# Altium PCB Peak_Track.PcbDoc (part 2 of 2)
Units mil, origin at the board's own origin, x right, y up, seen from the top; angles counter-clockwise.
Board outline 2126.29 x 2005.4 mil, 4 copper layers (Top1, GND2, signal3, Bottom4), stack 42.312 mil thick; 129 components, 89 nets, 459 pads, 390 vias.
Unrouted connection lines stored in the file: 6.
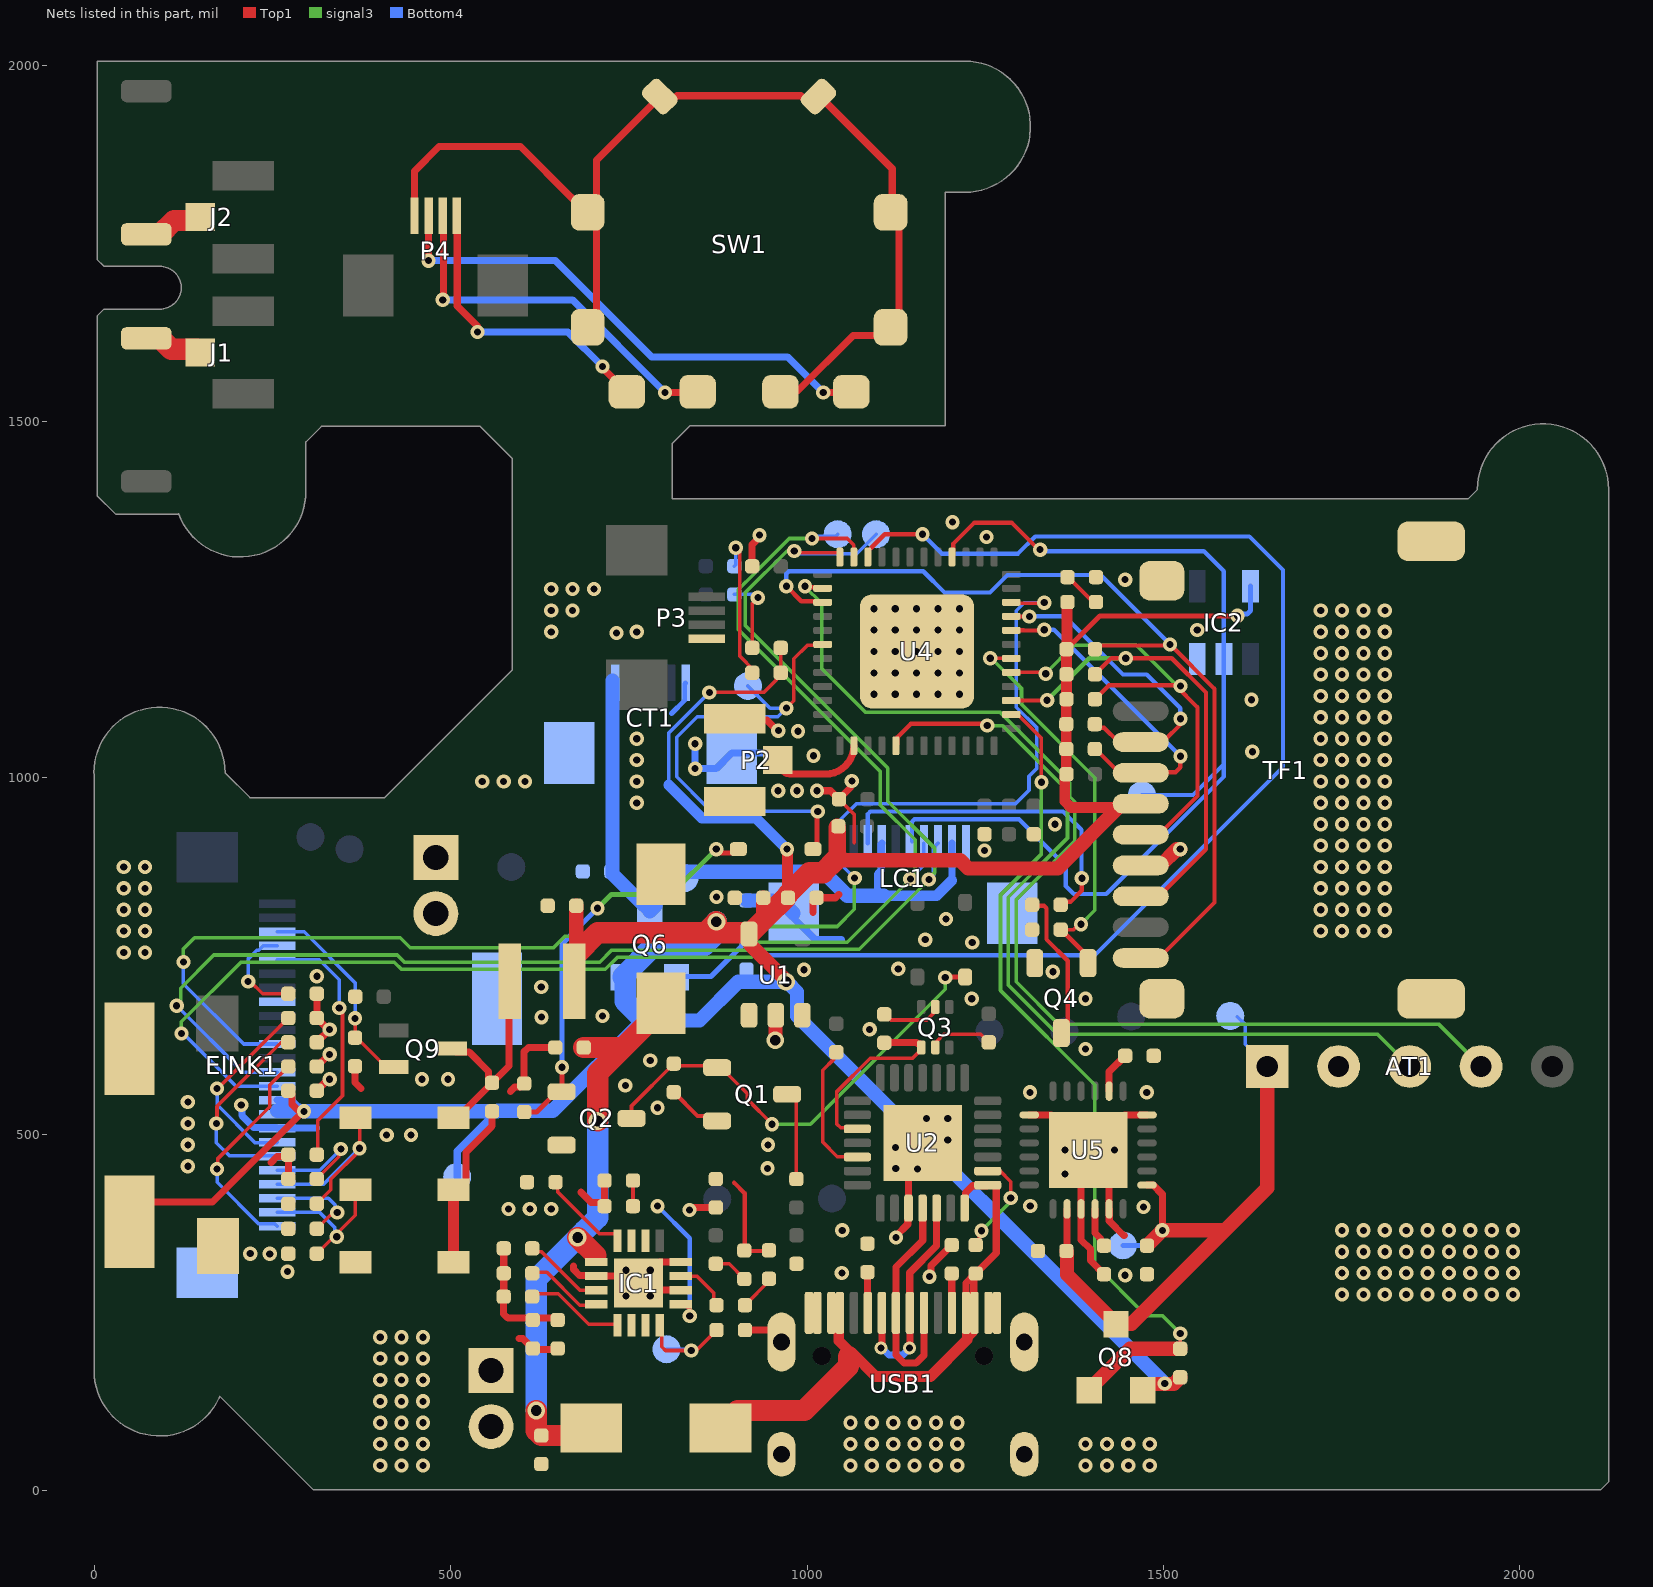
[diagram p4: the nets of this part, all layers, seen from the top]

## Via types
v1: diameter 20, hole 10, Top1 to Bottom4, tented both sides, 377 vias
v2: diameter 25, hole 15, Top1 to Bottom4, tented both sides, 6 vias
v3: diameter 62.99, hole 62.99, Top1 to Bottom4, 2 vias
v4: diameter 39.37, hole 39.37, Top1 to Bottom4, 2 vias
v5: diameter 18, hole 10, Top1 to Bottom4, tented both sides, 2 vias
v6: diameter 20, hole 10, Top1 to Bottom4, 1 vias

## Nets (pads, with @x,y where several pads share a name; then routed paths per layer and width w, separated by ;. In a path a pad name is that pad's centre, name@x,y a point inside that pad or via, vN(x,y) a via of type N, cw(c..) or ccw(c..) an arc to the next point about the centre after c; other vN are vias at no path point) (continued)
GND: AT1.2 C1.1 C2.1 C4.1 C5.1 C6.1 C7.1 C8.1 C9.1 C10.2 C11.1 C12.2 C13.1 C14.2 C15.1 C16.1 C17.1 C18.1 C19.1 C20.1 C21.1 C22.1 C23.1 C25.1 C26.1 C27.1 C28.1 C29.1 C30.1 C31.1 C32.1 CT1.0 CT1.1 D5.2 D9.1 EINK1.0@158,305.66 EINK1.8 EINK1.17 IC1.6 IC1.8 IC1.14 IC1.17 IC2.3 LC1.0 LC1.1 P1.2 P2.2 P2.3 P3.4 P6.2 Q2.2 Q4.2 R4.1 R7.1 R8.1 R10.1 R11.2 R14.1 R16.2 R17.1 R24.1 R31.1 R32.2 R36.1 S1.2 TF1.6 TF1.10 TP3.1 TP10.1 U1.2 U2.3 U2.29 U4.49 U5. U5.1 U5.9 U5.11 U5.18 USB1.1 USB1.2 USB1.3 USB1.4 USB1.A1 USB1.A12 USB1.B1 USB1.B12 | length 2571.9
  Top1 w5: C5.1@1044.75,970.21 1066,948.96 1066,909.37
  Top1 w10: 247.96,460.29 256.31,468.65 269.4,468.65 C22.1@272,471.25 C28.1@272,437.25 ; C25.1@312,561 328,577 v1(330,577) ; C32.1@312,595 329,612 v1(330,612) ; C27.1@312,629 v1(330,647) 328,647 C26.1@312,663 C21.1@312,697 ; R24.1@365.63,595.37 365.63,572.57 374.2,564 ; R8.1@574.41,339.76 574.3,339.65 574.3,272.11 R11.2@574.2,272 574.2,247.7 580.05,241.84 C9.1@645.18,241.84 ; 583.87,560.15 589.72,566 598,566 R7.1@603,571 603,615.82 608.86,621.68 C7.1@646.65,621.68 ; 672.15,315.01 672.15,310.34 680.68,301.8 703.51,301.8 IC1.14@704.42,300.9 753.63,300.9 IC1.17@763.47,291.06 ; 682.69,418.44 697.13,404 710.8,404 C19.1@715.8,399 C18.1@715.8,434.99 ; IC1.6@822.53,281.21 773.31,281.21 IC1.17@763.47,291.06 ; IC1.8@822.53,320.58 822.45,320.5 792.92,320.5 IC1.17@763.47,291.06 ; v1(835.13,393.54) 837.84,393.54 841.29,397 C20.1@872,397 ; P2.3@898.6,1083.07 900.61,1081.05 943.6,1081.05 958.28,1066.37 v1(959.71,1066.37) ; R32.2@913,225 950.74,225 964.31,211.43 USB1.3@964.31,208.27 ; C6.1@923,1297 923,1327.73 933.27,1338.01 v1(933.27,1340.71) ; 1008.4,811.48 1008.4,826.77 C2.1@1013.4,831.77 1039.87,831.77 1044.5,836.4 ; v1(1014,982) 1032.96,982 C5.1@1044.75,970.21 1060.97,986.43 1060.97,993.71 v1(1062.88,995.62) ; v1(1124.74,354.89) 1124.74,356.89 1141.42,373.57 1141.42,395.15 U2.3@1142.42,396.15 1142.42,467.96 U2.29@1162.11,487.65 ; v1(1172,300) 1173.91,301.91 1173.91,315.4 R14.1@1203.06,344.55 ; U5.1@1311.82,527.02 1343.32,527.02 1392.53,477.81 U5.@1394.5,477.81 ; C14.2@1416.8,303.51 1397.65,322.65 1397.65,338.65 1384.66,351.65 U5.9@1384.66,395.13 1384.66,467.96 U5.@1394.5,477.81 ; 1445.43,357.79 1444.28,357.79 1424.11,377.96 1424.11,395.05 U5.11@1424.03,395.13 1424.03,448.28 U5.@1394.5,477.81 ; U5.18@1477.18,527.02 1445.68,527.02 1396.47,477.81 U5.@1394.5,477.81
  Top1 w20: v2(955.44,631.89) 955.72,632.17 955.72,666.61 U1.2@956,666.89 ; TF1.6@1468.36,877.17 1496,877.17 1518.83,900 v1(1523.77,900)
  Bottom4 w7: 809.82,1090.34 809.82,1090.42 828.38,1108.98 828.38,1132.18 CT1.1@829.5,1133.31
  Bottom4 w10: v1(206,541) 206.84,540.16 206.84,525.97 223.5,509.32 255.4,509.32 EINK1.8@256.31,508.42 311.14,508.42 ; v1(843,1048) v1(843,1013) 872.46,1013 CT1.0@894.46,1035 949.65,1035 952,1032.65 ; LC1.0@981.04,810 981.04,803.56 1011.47,773.13 1048.07,773.13
  Bottom4 w20: C11.1@915,828 963.04,828 LC1.0@981.04,810
  other v1: 401,35 431,35 461,35 1061,35 1091,35 1121,35 1151,35 1181,35 1211,35 1391,35 1421,35 1451,35 1481,35 401,65 431,65 461,65 1061,65 1091,65 1121,65 1151,65 1181,65 1211,65 1391,65 1421,65 1451,65 1481,65 401,95 431,95 461,95 1061,95 1091,95 1121,95 1151,95 1181,95 1211,95 401,125 431,125 461,125 401,155 431,155 461,155 401,185 431,185 461,185 401,215 431,215 461,215 746,273 780,273 1751,275 1781,275 1811,275 1841,275 1871,275 1901,275 1931,275 1961,275 1991,275 1446.5,301.92 1048.84,305 1751,305 1781,305 1811,305 1841,305 1871,305 1901,305 1931,305 1961,305 1991,305 271,307 746,309 780,309 218.61,332.29 246,332 1751,335 1781,335 1811,335 1841,335 1871,335 1901,335 1931,335 1961,335 1991,335 1049.49,365 1751,365 1781,365 1811,365 1841,365 1871,365 1901,365 1931,365 1961,365 1991,365 581,395 611,395 641,395 1472.18,397.88 1313.22,399.27 1362,444 1155.08,451 944.54,452.07 1124.43,452.07 131,455 1362,478 1431.49,477.78 1124,481.21 131,485 945.15,485 1197.54,491.91 410,499 444,499 131,515 1167.58,522.06 1197.54,522.06 790.2,537 131,545 1312.9,558.69 1476.84,558.69 744.97,568.2 459.59,577 495.94,577 780,603.28 1390.67,619.37 1087.89,647.09 627.37,664.23 712.87,665.9 1231.19,690 1390.67,690 627,706.65 312,721.64 1345,728 995.57,730.81 1128,732 41,755 71,755 1231.89,769 1166,773 41,785 71,785 1721,785 1751,785 1781,785 1811,785 1195,802 41,815 71,815 1721,815 1751,815 1781,815 1811,815 873,833 41,845 71,845 1721,845 1751,845 1781,845 1811,845 41,875 71,875 1721,875 1751,875 1781,875 1811,875 1249,898 1721,905 1751,905 1781,905 1811,905 1348,935 1721,935 1751,935 1781,935 1811,935 761,965 1721,965 1751,965 1781,965 1811,965 959.46,982.05 986,982 544.21,995 574.21,995 604.21,995 761,995 1721,995 1751,995 1781,995 1811,995 761,1025 1721,1025 1751,1025 1781,1025 1811,1025 1009.21,1031.05 1625.01,1036.73 761,1055 1721,1055 1751,1055 1781,1055 1811,1055 987.5,1065.51 1721,1085 1751,1085 1781,1085 1811,1085 1623.94,1109.7 1721,1115 1751,1115 1781,1115 1811,1115 1093.76,1117.46 1123.76,1117.46 1153.76,1117.46 1183.76,1117.46 1213.76,1117.46 1721,1145 1751,1145 1781,1145 1811,1145 1093.76,1147.46 1123.76,1147.46 1153.76,1147.46 1183.76,1147.46 1213.76,1147.46 1721,1175 1751,1175 1781,1175 1811,1175 1093.76,1177.46 1123.76,1177.46 1153.76,1177.46 1183.76,1177.46 1213.76,1177.46 732.73,1203.27 641,1205 761,1205 1721,1205 1751,1205 1781,1205 1811,1205 1093.76,1207.46 1123.76,1207.46 1153.76,1207.46 1183.76,1207.46 1213.76,1207.46 1547.6,1207.46 641,1235 671,1235 1721,1235 1751,1235 1781,1235 1811,1235 1093.76,1237.46 1123.76,1237.46 1153.76,1237.46 1183.76,1237.46 1213.76,1237.46 641,1265 671,1265 701,1265 1446.5,1278.24 1252,1338 1204,1359
GPIO2: EINK1.14 LC1.10 U4.22 | length 1968.6
  Top1 w5: U4.22@1286.65,1246.46 1288.11,1245 1332,1245 v1(1333,1246)
  signal3 w5: v1(124.69,741.5) 124.69,759.86 140.37,775.54 429.23,775.54 443.27,761.5 644.24,761.5 660.78,778.04 909.48,778.04 922.94,791.5 1042.25,791.5 1066.35,815.6 1066.35,859 v1(1066.85,859.5)
  Bottom4 w5: v1(124.69,741.5) 124.69,711.18 209.34,626.53 EINK1.14@256.31,626.53 ; v1(1066.85,859.5) 1066.35,860 1048.07,878.28 1048.07,906.24 LC1.10@1046,908.31 1046,940.41 1069.09,963.5 1292.16,963.5 1311.5,982.84 1311.5,1002.24 1322.69,1013.44 1322.69,1070.21 1293.5,1099.41 1293.5,1234.66 1304.84,1246 v1(1333,1246)
GPIO5: Q6.1 R28.1 U4.34 | length 1908
  Top1 w6: U4.34@1085.37,1309.94 1085.37,1318.31 1092.13,1325.07 ; 1092.13,1325.1 1109.03,1342 v1(1161.89,1342)
  Bottom4 w6: R28.1@915,771 935,751 1403.49,751 1668,1015.51 1668,1291.82 1620.82,1339 1320.31,1339 1296.12,1314.81 1189.08,1314.81 v1(1161.89,1342)
  Bottom4 w7: Q6.1@816.76,720.35 817.75,721.33 865.33,721.33 R28.1@915,771
GPIO9: IC2.2 LC1.5 TP20.1 U4.28 | length 1454.8
  Top1 w6: U4.28@1203.48,1309.94 1205.4,1311.86 1205.4,1328.86 1234.54,1358 1287.46,1358 v1@1326.11,1319.35
  Bottom4 w6: LC1.5@1147.33,911.21 1147.33,938.49 1150.85,942 1297.61,942 1363,876.61 1363,848.25 1374.25,837 1420,837 1585,1002 1585,1019.54 ; v1(1327.15,1320.39) 1329.23,1318.31 1556.78,1318.31 1585,1290.09 IC2.2@1585,1166.82 1585,1019.54 ; TP20.1@1470,976.13 1541.59,976.13 1585,1019.54
GPIO12: Q4.1 R17.2 U4.18 | length 555.8
  Top1 w5: v1(1257.23,1168) 1257.37,1167.86 1286.51,1167.86 U4.18@1286.65,1167.72 ; R17.2@1356,787 1356.9,787 1374,787 1381.7,794.7 v1(1384.43,794.7)
  Top1 w6: R17.2@1356.45,787.45 1356.9,787 1392.69,751.21 Q4.1@1392.69,750.74
  signal3 w5: v1(1257.23,1168) 1258.73,1168 1301,1125.73 1301,1103.25 1403.79,1000.46 1403.79,814.06 v1(1384.43,794.7)
GPIO13: R22.2 TF1.3 U4.20 | length 457.4
  Top1 w6: U4.20@1292.82,1207.09 1304.04,1207.09 1304.13,1207 1332,1207 v1(1333,1208) ; R22.2@1403.96,1040.5 1405.04,1040.5 1438.45,1007.09 TF1.3@1468.36,1007.09 ; TF1.3@1468.36,1008 1517,1008 1524,1015 v1(1524,1030.41)
  Bottom4 w6: v1(1333,1208) 1346.41,1208 v1(1524,1030.41)
GPIO14: R23.2 TF1.5 U4.17 | length 677.5
  Top1 w5: U4.17@1286.65,1148.03 1333.32,1148.03 v1(1335.12,1146.23)
  Top1 w6: R23.2@1404.28,1110.5 1423.79,1130 v1@1517,1130 ; TF1.5@1468.36,920.47 1493.95,920.47 1548,974.52 1548,1099 v1@1517,1130 ; v1(1524,1129) 1518,1129 v1@1517,1130
  signal3 w5: v1(1335.12,1146.23) 1335.12,1146.86 1374.76,1186.5 1462.24,1186.5 1519.74,1129 v1(1524,1129)
GPIO15: R25.2 TF1.2 U4.21 | length 469.5
  Top1 w6: U4.21@1286.65,1226.77 1286.78,1226.64 1311.86,1226.64 v1(1312,1226.5) ; R25.2@1403.96,1075.5 1408.91,1070.54 1416.8,1070.54 1436.94,1050.39 TF1.2@1468.36,1050.39 ; TF1.2@1453.26,1051 1455.46,1053.21 1468.36,1053.21 1502.13,1053.21 1524,1075.07 v1(1524,1083.07)
  Bottom4 w6: v1(1312,1226.5) 1312.5,1227 1361.37,1227 1443.37,1145 1476.84,1145 1523.95,1097.89 v1(1524,1083.07) v1(1524,1083.07)
GPIO18: EINK1.12 LC1.4 TP19.1 U4.35 | length 2114.8
  Top1 w5: v1(1007,1336) 1056.5,1336 1065.68,1326.82 U4.35@1065.68,1309.94
  signal3 w5: v1(115.28,680.28) 121,686 121,705 167.5,751.5 424.99,751.5 434.99,741.5 709.04,741.5 725.58,758.04 917.76,758.04 929.22,769.5 1056.5,769.5 v1(1145,858) ; v1(1007,1336) 974.85,1336 926.5,1287.65 926.5,1287.39 903.5,1264.39 903.5,1208.27 1102.5,1009.27 1102.5,962.5 1152,913 v1@1152,865 ; v1@1151.27,864.27 v1@1151.27,864.98
  Bottom4 w5: v1(115.28,680.28) 208.41,587.16 EINK1.12@256.31,587.16 ; v1(1007,1336) 1009.87,1338.87 1039.87,1338.87 TP19.1@1043,1342 ; v1(1145,858) 1145,858.88 1164.11,877.99 LC1.4@1164.11,908.31
GPIO19: AT1.4 U4.38 | length 1584.8
  Top1 w6: v1(997,1269) 999.43,1269 1000.76,1267.67 1020.35,1267.67 U4.38@1021.89,1266.14
  signal3 w5: v1(997,1269) 997,1268.5 1020.5,1245 1020.5,1153.5 1082,1092 1270.93,1092 1365.17,997.75 1366.5,996.43 1368.07,994.31 1369,992.69 1368.5,992.19 1368.5,973.66 1375.81,966.35 1375.81,911.69 1293.5,829.37 1293.5,713.81 1353.31,654 1887,654 AT1.4@1946,595
GPIO21: D3.1 TP7.1 U4.42 | length 689.6
  Top1 w5: v1(971,1097.89) 981.54,1108.43 981.54,1167.35 1000.6,1186.42 U4.42@1020.9,1186.42
  Top1 w7: D3.1@1008.34,900 1014.02,905.68 1014.02,952.02 v1(1015,953) ; U4.42@1020.9,1186.42 U4.42@1021.89,1187.4
  Bottom4 w5: TP7.1@917,1129 948.11,1097.89 v1(971,1097.89) 958.92,1085.81 845.81,1085.81 817,1057 817,1001.63 858.63,960 934.37,960 941.37,953 v1(1015,953)
GPIO22: R26.2 TF1.9 U4.39 | length 1313.9
  Top1 w6: v1(971,1269) 992,1248 1020.34,1248 U4.39@1021.89,1246.46 ; R26.2@1400.79,1186.42 1401.21,1186 1508.35,1186 v1(1509.45,1187.09) ; TF1.9@1468.36,747.24 1493.95,747.24 1572,825.29 1572,1125 v1@1509.68,1187.32
  Bottom4 w6: v1(971,1269) 971,1286.54 974.51,1290.05 1163.18,1290.05 1192.99,1260.24 1256.92,1260.24 1281.36,1284.68 1412.32,1284.68 1509.45,1187.55 v1(1509.45,1187.09)
GPIO23: EINK1.11 LC1.3 TP17.1 U4.36 | length 2162.9
  Top1 w5: v1(982.09,1318.5) 984.59,1316 1043.58,1316 1046,1313.58 U4.36@1046,1309.94
  signal3 w5: v1(121.93,641.37) 121.93,657.93 205.5,741.5 420.84,741.5 430.84,731.5 716.98,731.5 733.52,748.04 921.91,748.04 933.36,759.5 1073.19,759.5 v1(1170.99,857.3) ; 971.56,1318.31 913.5,1260.25 913.5,1213.83 1113.5,1013.83 1113.5,967.05 1179,901.55 1179,866.72 1178.14,865.86 ; v1@1177.26,864.98 1177.26,865.86
  Bottom4 w5: v1(121.93,641.37) 124.62,641.37 198.52,567.47 EINK1.11@256.31,567.47 ; v1(982.09,1318.5) 986.15,1318.5 989.84,1314.81 1069.81,1314.81 TP17.1@1097,1342 ; v1(1170.99,857.3) 1171.3,857.3 1177.52,863.52 1177.52,902.03 LC1.3@1183.8,908.31
GPIO25: Q8.1 R30.1 U4.14 | length 1207.1
  Top1 w5: U4.14@1286.65,1088.98 1289.07,1086.55 1298.17,1086.55 1329,1055.73 v1(1329,994) ; R30.1@1523.77,198.74 v1(1523.77,220.31)
  Top1 w20: Q8.1@1396.21,140.81 1396.21,141.79 1453.16,198.74 R30.1@1523.77,198.74
  signal3 w5: v1(1329,994) 1329,893.16 1271.5,835.66 1271.5,701.74 1403.79,569.45 1403.79,317.21 1475.59,245.41 1498.67,245.41 v1(1523.77,220.31)
GPIO26: R21.2 TF1.7 U4.15 | length 709.1
  Top1 w6: U4.15@1286.65,1108.66 1336.66,1108.66 v1(1336.98,1108.98) ; R21.2@1404.28,1145.5 1426.79,1168 v1(1447.24,1168) 1511.87,1168 1560,1119.87 1560,899.91 1493.95,833.86 TF1.7@1468.36,833.86
  signal3 w6: v1(1336.98,1108.98) 1396,1168 v1(1447.24,1168)
GPS_TX: AT1.3 U4.5 | length 1216.4
  Top1 w6: U4.5@1124.74,1045.18 1126.66,1047.1 1126.66,1056.91 1145.75,1076 1250.5,1076 v1(1253,1073.5)
  signal3 w5: v1(1253,1073.5) 1274.25,1073.5 1358.5,989.25 1358.5,969.1 1365.6,962 1365.6,915.61 1282.5,832.51 1282.5,709.26 1351.76,640 1801,640 AT1.3@1846,595
LCD_LEDK: LC1.8 R15.2 | length 474.2
  Top1 w6: R15.2@1356.55,826.08 1369.72,826.08 1385.67,842.04 v1(1385.67,859.26)
  Bottom4 w6: LC1.8@1085.37,908.31 1085.37,949.49 1088.88,953 1359.34,953 1385.12,927.22 1385.12,859.81 v1(1385.67,859.26)
NetA1_1: A1.1 J1.1 | length 84.2
  Top1 w30: A1.1@72.65,1617 92.33,1617 107.65,1601.69 143.92,1601.69 J1.1@148.61,1597
NetA2_1: A2.1 J2.1 | length 85.9
  Top1 w30: A2.1@72.65,1763 92.33,1763 111.65,1782.31 143.92,1782.31 J2.1@148.61,1787
NetC14_1: C14.1 U5.10 | length 56.8
  Top1 w10: U5.10@1404.34,395.13 1404.26,395.05 1404.26,361.31 1411.8,353.78 1411.8,348.51 C14.1@1416.8,343.51
NetC15_2: C15.2 U5.20 | length 58.8
  Top1 w10: U5.20@1424.03,560.48 1424.03,587.53 C15.2@1446.5,610
NetC21_2: C21.2 EINK1.21 | length 143.6
  Top1 w5: v1(215.62,714.39) 218.61,714.39 236,697 C21.2@272,697
  Bottom4 w5: v1(215.62,714.39) 215.48,714.54 215.48,745.91 227.61,758.04 230.34,758.04 236.62,764.32 EINK1.21@256.31,764.32
NetC22_2: C22.2 EINK1.20 | length 361
  Top1 w5: C22.2@312,471.25 313,472.25 313,518.89 348,553.89 348,668.66 343.5,673.16 v1(343.5,677.22)
  Bottom4 w5: EINK1.20@256.31,744.64 315.52,744.64 343.5,716.66 v1(343.5,677.22)
NetC24_1: C24.1 D9.2 D10.1 | length 238.4
  Top1 w10: D10.1@503.9,421.94 510.79,421.94 521.54,432.69 521.54,474.75 558,511.21 C24.1@558,532
  Top1 w15: D9.2@503.9,320 D10.1@503.9,421.94
NetC24_2: C24.2 D11.2 L1.2 Q9.3 | length 309.8
  Top1 w10: Q9.3@502.34,620 507.18,615.16 525.8,615.16 553,587.95 553,577 C24.2@558,572 ; D11.2@503.9,523 510.79,523 521.54,533.75 521.54,535.54 C24.2@558,572 ; L1.2@581.72,714.54 581.72,595.72 C24.2@558,572
NetC26_2: C26.2 EINK1.7 | length 270.5
  Top1 w5: v1(172,564) 173,564 C26.2@272,663
  Bottom4 w5: v1(172,564) 172,541.12 225.12,488 255.58,488 EINK1.7@256.31,488.73
NetC27_2: C27.2 EINK1.6 | length 281.9
  Top1 w5: v1(171,515) 171.87,515.87 171.87,539.02 261.85,629 C27.2@272,629
  Bottom4 w5: v1(171,515) 171,488 189.31,469.69 255.67,469.69 EINK1.6@256.31,469.05
NetC28_2: C28.2 EINK1.5 | length 157.5
  Top1 w5: C28.2@312,437.25 342.86,468.11 342.86,476.16 v1(345.73,479.03)
  Bottom4 w5: EINK1.5@256.31,449.36 316.07,449.36 v1(345.73,479.03)
NetC30_2: C30.2 EINK1.3 | length 135.1
  Top1 w5: C30.2@312,367.25 331.57,386.81 337.33,386.81 v1(340.67,390.16)
  Bottom4 w5: EINK1.3@256.31,409.99 328.3,409.99 337.8,400.49 337.8,393.03 v1(340.67,390.16)
NetC32_2: C32.2 EINK1.1 | length 313.9
  Top1 w5: v1(172,451) 172.63,451.63 172.63,465.12 246,538.49 246,569 C32.2@272,595
  Bottom4 w5: v1(172,451) 172,432.51 230.48,374.03 252.9,374.03 EINK1.1@256.31,370.62
NetD1_1: D1.1 Q1.1 Q2.3 R3.2 | length 646
  Top1 w5: Q2.3@753.63,522.06 753.63,539.63 R3.2@813,599 815.8,596.2 871.15,596.2 Q1.1@873.94,593.4 879.98,593.4 891.06,582.31 891.06,581.88 916.38,556.56 916.38,548.62 v1(951,514)
  Top1 w7: v1(1194,720) 1194.61,720.61 D1.1@1221.95,720.61
  signal3 w5: v1(951,514) 1004.78,514 1194,703.22 v1(1194,720)
NetD3_2: D3.2 Q2.1 R7.2 | length 579.3
  Top1 w7: R7.2@603,531 620.48,531 648.95,559.47 Q2.1@655.52,559.47 656,559.95 v1(656,594) ; v1(872.57,900) 878.04,894.53 898.2,894.53 D3.2@903.66,900
  signal3 w7: v1(706,817) 725.61,836.61 809.18,836.61 v1(872.57,900)
  Bottom4 w7: v1(656,594) 656,767 v1(706,817)
NetD5_1: D5.1 R27.1 | length 48.4
  Top1 w6: D5.1@1370.62,1277.75 R27.1@1404.86,1243.51
NetD6_2: D6.1 P6.1
NetD7_2: D7.2 R34.1 | length 48.7
  Top1 w5: R34.1@872.05,318.05 R34.1@872,318 890.72,318 D7.2@911.9,296.82
NetD8_2: D8.2 R35.1 | length 48.2
  Top1 w5: R35.1@913,260 D8.2@947.08,294.08
NetIC1_1: IC1.1 R11.1 | length 139.5
  Top1 w5: R11.1@614.2,272 618.1,275.9 650.93,275.9 693.5,233.33 732.62,233.33 IC1.1@733.94,232
NetIC1_4: IC1.4 R32.1 TP4.1 | length 157.9
  Top1 w5: IC1.4@793,232 796,229 796,201.8 801.41,196.39 v1(837.51,196.39) 844.39,196.39 R32.1@873,225
  Bottom4 w5: TP4.1@802.81,198.11 835.79,198.11 v1(837.51,196.39)
NetIC1_7: IC1.7 R35.2 | length 75.2
  Top1 w5: IC1.7@822.53,300.9 845.41,300.9 868.8,277.5 868.8,264.2 R35.2@873,260
NetIC1_12: IC1.12 R31.2 | length 131.4
  Top1 w5: R31.2@647,432.69 650.43,429.26 650.43,418.44 708.63,360.24 730.54,360.24 733.94,356.84 IC1.12@733.94,350.11
NetIC1_15: IC1.15 R8.2 | length 112.4
  Top1 w5: R8.2@614.21,334.76 627.3,334.76 680.84,281.21 IC1.15@704.42,281.21
NetIC1_16: IC1.16 R10.2 | length 110.2
  Top1 w5: R10.2@614.41,304.78 615.63,306 634.97,306 680.97,260 702.89,260 IC1.16@704.42,261.53
NetP2_1: P2.1 U4.2 | length 141
  Top1 w10: P2.1@958.64,1025 ccw(c978.32,1025) 978.32,1005.32 1025.82,1005.32 ccw(c1025.82,1045.18) U4.2@1065.68,1045.18
NetP4_1: P4.1 SW1.3 SW1.5 | length 1499.4
  Top1 w10: P4.1@449.12,1789.31 449.12,1851.47 483.65,1886 597.65,1886 669.24,1814.41 669.74,1814.41 690.33,1793.82 SW1.5@692.05,1793.82 ; SW1.5@704.55,1628.41 704.55,1808.29 704.55,1866.9 793.3,1955.65 SW1.5@793.3,1956.35 ; SW1.5@804.8,1944.85 805.19,1944.85 817.69,1957.35 991.61,1957.35 996.19,1952.77 1012.42,1952.77 SW1.5@1016,1956.35 ; SW1.3@986.72,1542.85 1064.87,1621 1128.85,1621 1128.85,1804.69 1119.65,1813.89 1119.65,1855 1022.17,1952.48 SW1.5@1015,1952.48
NetP4_2: P4.2 SW1.4 | length 742
  Top1 w10: v1(468.65,1726) 468.65,1789.15 P4.2@468.81,1789.31 ; v1(1022.76,1541) SW1.4@1070.65,1541
  Bottom4 w10: v1(468.65,1726) 646.65,1726 781.65,1591 972.76,1591 v1(1022.76,1541)
NetP4_3: P4.3 SW1.2 | length 530.4
  Top1 w10: P4.3@488.49,1789.31 489.65,1788.15 489.65,1672 v1(488.65,1671) ; v1(800.65,1541) 844.72,1541 SW1.2@845.65,1541.93
  Bottom4 w10: v1(488.65,1671) 670.65,1671 v1(800.65,1541)
NetP4_4: P4.4 SW1.1 | length 421
  Top1 w10: P4.4@508.18,1789.31 509.08,1788.4 509.08,1662.17 537.39,1633.87 v1(537.39,1626) ; v1(712.87,1577.31) 712.87,1575.75 746.77,1541.85 SW1.1@747.17,1541.85
  Bottom4 w10: v1(537.39,1626) 664.19,1626 v1(712.87,1577.31)
NetQ3_2: Q3.2 R9.2 | length 91
  Top1 w5: Q3.2@1180,621.68 1181.98,623.66 1181.98,630.08 1191.92,640.02 1243.87,640.02 R9.2@1255,628.88
NetQ3_5: Q3.5 R12.2 | length 90.9
  Top1 w5: R12.2@1105.2,672.88 1117.82,660.26 1168.08,660.26 1176.81,668.99 Q3.5@1176.81,679.41
NetQ4_3: Q4.3 R15.1 | length 199.8
  Top1 w6: R15.1@1316,822 1317.41,820.59 1332.49,820.59 1336,817.07 1336,773.39 1365.89,743.5 Q4.3@1365.89,651.72
NetR1_2: R1.2 U2.9 | length 155.1
  Top1 w5: R1.2@1236.7,344.55 1242.1,349.94 1242.1,361.59 v1(1244.97,364.47) ; U2.9@1246.4,448.28 1271.14,448.28 1286,433.42 v1(1286,410.25)
  signal3 w5: v1(1244.97,364.47) 1286,405.5 v1(1286,410.25)
NetR6_2: R6.2 U2.26 | length 184.4
  Top1 w5: R6.2@1037.79,616.72 1037.79,605.61 1022,589.82 1022,489 1042.51,468.49 1062.87,468.49 U2.26@1063.4,467.96
NetR14_2: R14.2 USB1.B5 | length 58.1
  Top1 w10: USB1.B5@1203.48,249.21 1203.06,248.8 R14.2@1203.06,304.55 R14.2@1204.3,303.31
NetR16_1: R16.1 USB1.A5 | length 58.3
  Top1 w10: R16.1@1084.42,306.05 R16.1@1084.74,306.36 1085.05,306.05 1085.05,249.53 USB1.A5@1085.37,249.21 USB1.A5@1085.68,249.53
NetR19_1: R19.1 R38.1 | length 214.1
  Top1 w5: v1(900,1323) 905.5,1317.5 905.5,1171.09 926.04,1150.56 R19.1@923.04,1147.56
  Bottom4 w5: R38.1@897.93,1297.24 900,1299.31 v1(900,1323)
NetR20_1: R20.1 R39.1 | length 108.7
  Top1 w5: R20.1@923.04,1182.56 923.04,1245.04 v1(931,1253)
  Bottom4 w5: R39.1@897.93,1257.51 926.49,1257.51 v1(931,1253)
PREVGH: C29.2 D11.1 EINK1.4 | length 284.7
  Top1 w5: C29.2@312,402.25 331.67,421.92 331.67,436.67 371.97,476.97 v1(371.97,480.3) 371.97,517.13 D11.1@366.1,523
  Bottom4 w5: EINK1.4@256.31,429.68 321.35,429.68 v1(371.97,480.3)
PREVGL: C31.2 D10.2 EINK1.2 | length 215.9
  Top1 w5: C31.2@312,332.25 366.1,386.35 D10.2@366.1,421.94
  Bottom4 w5: EINK1.2@256.31,390.31 315.78,390.31 336.89,369.2 336.89,359.11 v1(340,356)
RESE: EINK1.22 Q9.2 R24.2 | length 287
  Top1 w5: v1(365.63,662.58) 366.1,662.11 366.1,635 372.06,629.04 374.2,629.04 408.83,594.41 Q9.2@419.66,594.41
  Bottom4 w5: EINK1.22@256.31,784.01 294.17,784.01 365.63,712.55 v1(365.63,662.58)
RTS: Q3.1 R12.1 U2.24 | length 280.2
  Top1 w5: U2.24@1070.61,507.33 1069.15,508.79 1048.21,508.79 1048,509 1047.11,509 1042,514.11 1042,560 1088.65,606.65 1148,606.65 1156,614.64 1156.86,614.64 1160.32,618.1 Q3.1@1160.32,621.68
  Top1 w10: R12.1@1108.44,632.29 R12.1@1109.03,632.88 ; R12.1@1109.03,628.88 1153.54,628.88 1155.9,626.52 1159.32,626.52 1160.32,625.52 Q3.1@1160.32,622.1
USB-PWR-D_N: U2.5 USB1.A7 USB1.B7 | length 312.2
  Top1 w10: v5(1104,200) 1105,201 1105,249.16 USB1.B7@1105.05,249.21 ; v5(1144,200) 1144.71,200.71 USB1.A7@1144.71,248.92 ; USB1.A7@1144.42,249.21 USB1.A7@1144.71,248.92 ; U2.5@1181.79,396.15 1181.45,395.81 1181.45,342.99 1144.08,305.63 1144.08,249.55 USB1.A7@1144.71,248.92
  Bottom4 w10: v5(1104,200) 1105.05,200 1115.05,190 1134.42,190 v5@1145.21,200.79
USB-PWR-D_P: U2.4 USB1.A6 USB1.B6 | length 329.9
  Top1 w10: U2.4@1162.11,396.15 1162.45,395.81 1162.45,350.86 1125.08,313.5 1125.08,249.55 USB1.A6@1124.74,249.21 1124.74,190.16 1136.16,178.74 1153.16,178.74 1164.11,189.68 USB1.B6@1164.11,249.21
V_GPS: AT1.1 C12.1 C16.2 Q8.3 TP12.1 TP15.1 U5.8 U5.13 | length 997.2
  Top1 w10: C12.1@1364.89,339 1364.89,395.05 U5.8@1364.97,395.13 ; U5.13@1477.18,428.59 1485.88,428.59 1498.67,415.8 v1(1498.67,365)
  Top1 w20: C12.1@1364,336 1364.89,335.11 1364.89,303.04 1433.62,234.31 Q8.3@1433.62,233.33 1434.26,233.98 1455.46,233.98 1586.49,365 ; C16.2@1477.18,343.51 1492.31,358.64 v1(1498.67,365) 1586.49,365 ; AT1.1@1646,595 1646,424.51 1586.49,365
  Bottom4 w5: TP12.1@1603.86,665 1614.95,653.9 1614.95,626.05 AT1.1@1646,595
  Bottom4 w7: TP15.1@1443.36,344 1443.61,343.75 1475.9,343.75 1497.15,365 v1(1498.67,365)
V_LCD: C11.2 C13.2 CT1.6 LC1.2 LC1.7 Q6.3 TP18.1 | length 969.4
  Bottom4 w5: C13.2@725.36,867.44 C13.2@725.36,868.79 ; TP18.1@827.88,859.26 TP18.1@827.88,861.34
  Bottom4 w10: 1093.76,834.5 1099.02,839.76 1099.02,865.4 1104.15,870.53 1104.15,907.4 LC1.7@1105.05,908.31 ; 1203.2,855.97 1203.48,856.25 LC1.2@1203.48,908.31
  Bottom4 w15: 1107.73,834.5 1181.73,834.5 1203.2,855.97
  Bottom4 w20: CT1.6@727,1136.88 727,865.23 770.66,821.57 771.64,821.57 779.36,813.85 Q6.3@779.36,812.87 787.08,820.59 787.08,852.94 802.45,868.31 827.88,868.31 914.69,868.31 C11.2@915,868 ; C11.2@915,868.31 1022.69,868.31 1056.49,834.5 1093.76,834.5 1107.73,834.5
VBAT: C18.2 C19.2 C20.2 D7.1 D8.1 IC1.5 IC1.10 IC1.11 Q1.2 R3.1 | length 448.7
  Top1 w6: C19.2@755.86,394.86 C18.2@755.86,430.85 ; R3.1@813,559 846.38,525.62 866.93,525.62 Q1.2@873.94,518.6 ; IC1.5@822.53,261.53 828.26,261.53 835.35,254.43 v1(835.35,244.84) ; 897.42,432 912.48,416.94 D7.1@912.48,336.82 ; D7.1@911.9,336.82 912.72,336 945.5,336 D8.1@946.5,337
  Bottom4 w6: v1(790.2,399) 835.35,353.84 v1(835.35,244.84)
VBAT_IN: C9.2 C17.2 IC1.2 IC1.3 P1.1 | length 59.8
  Top1 w10: 596,213 601.19,213 C17.2@615.08,199.11 ; C17.2@616.72,198 C9.2@651.64,198
VBUS: C7.2 C8.2 D4.2 D6.2 IC1.13 | length 848.4
  Top1 w30: v2(620,112.11) 620,84 C8.2@627,77 686.65,77 D4.2@697.32,87.66 ; v2(678,355) 678.35,355 703.67,329.68 ; C7.2@686.65,621.68 742.02,621.68 ; v2(706.01,518.6) 706.01,585.67 742.02,621.68 ; D6.2@795.2,683.71 795.2,674.85 775.75,655.4 742.02,621.68
  Bottom4 w30: v2(620,112.11) 620,296.81 687.42,364.23 706.01,382.82 v2(706.01,518.6)
VCC_3V3: C1.2 C2.2 C23.2 C25.2 EINK1.9 EINK1.10 IC2.5 L1.1 Q6.2 Q8.2 R5.1 R18.1 R19.2 R20.2 R21.1 R22.1 R23.1 R25.1 R26.1 R27.2 R28.2 R30.2 TF1.4 TP1.1 TP2.1 U1.5 | length 4720.3
  Top1 w5: v1(862.93,1120) 939.32,1120 957.08,1137.76 957.08,1141.6 R19.2@963.04,1147.56 R20.2@963.04,1182.56
  Top1 w7: R26.1@1364.28,1180.65 1364.86,1181.23 1411.13,1227.5 v1(1604,1227.5)
  Top1 w10: TP1.1@49,376.98 76.88,404.86 165.47,404.86 292.61,532 v1(294,532) 292.09,533.91 285.16,533.91 277,542.07 277,556 C25.2@272,561
  Top1 w15: v1(971.74,900) 972.57,899.17 972.57,847.13 ; R26.1@1364.28,1180.65 R21.1@1364.28,1145.5 R23.1@1364.28,1110.5 1363.96,1110.17 R25.1@1363.96,1075.5 R22.1@1363.96,1040.5 1363.96,1005.51 R18.1@1364.28,1005.18 1361.78,1002.68 1361.78,991.94 1361.62,991.78 1361.62,967.33 1370.41,958.55 1428.66,958.55 ; R26.1@1364.86,1181.23 1364.86,1246.19 R27.2@1365.44,1246.77 ; TF1.4@1440.16,961.16 1442.77,958.55 1463.13,958.55 TF1.4@1468.36,963.78
  Top1 w20: L1.1@676,752.69 C23.2@676,820.59 ; U1.5@920.41,765.99 969.74,716.66 969.74,714.77 v2(970.69,713.81) ; 938.6,806.58 C1.2@938.6,831.77 ; 1040.39,885 1040.89,884.5 1214.9,884.5 1226.4,873 1351.99,873 1433.1,954.11 TF1.4@1440.16,961.16 ; R5.1@1042.48,930.48 R5.1@1044,932 ; Q8.2@1471.02,140.81 1471.02,141.79 1478.73,149.51 1514.54,149.51 R30.2@1523.77,158.74
  Top1 w25: 1042.48,887.09 R5.1@1042.48,930.48
  Top1 w30: L1.1@676,752.69 706.01,782.7 857.6,782.7 U1.5@916.79,782.7 ; 857.6,782.87 v2(872.77,798.04) ; U1.5@918.6,780.89 919.29,780.89 941.79,803.39 C2.2@970.17,831.77 ; C2.2@973.4,837.13 1003.38,867.11 1022.5,867.11 1040.39,885 1042.48,887.09
  Bottom4 w5: 806,990 806,1063.07 v1(862.93,1120)
  Bottom4 w7: v1(1604,1227.5) 1606.49,1229.99 1617.73,1229.99 1622.4,1234.66 IC2.5@1622.4,1269.18
  Bottom4 w10: EINK1.10@256.31,547.79 275.99,547.79 v1@287.28,536.5 ; TP2.1@509,440.05 509,476 566,533
  Bottom4 w15: 806,990 852.66,943.34 928.4,943.34 v1(971.74,900)
  Bottom4 w20: EINK1.9@256.31,533 v1@287.28,533 ; v1(294,532) 565,532 ; 566,533 643.08,533 769.71,659.63 ; Q6.2@741.96,720.35 Q6.2@741.96,721.33 ; 770.73,660.65 769.71,659.63 ; v2(970.69,713.81) 903.39,713.81 849.21,659.63 769.71,659.63 ; v2@972.87,712.89 972.87,712.72 986,699.6 986,666 v1(1502,150)
  Bottom4 w30: Q6.2@741.96,720.35 744.68,717.63 744.68,686.7 770.73,660.65 ; Q6.2@741.96,721.33 784.95,764.32 855.2,764.32 872.77,781.9 v2(872.77,798.04)
VIN: Q1.3 R2.2 U1.1 U1.3 | length 126.6
  Top1 w5: Q1.3@972.06,556 975.95,556 985,546.95 R2.2@985,437
VUSB: D4.1 R1.1 U2.7 U2.8 USB1.A4 USB1.A9 USB1.B4 USB1.B9 | length 885.6
  Top1 w10: U2.7@1221.16,391.47 1222.16,392.47 1222.16,417.36 1232.4,427.59 1252.61,427.59 U2.8@1253.61,428.59 1264.5,428.59 1265.5,427.59 1265.5,333.35 R1.1@1236.7,304.55 R1.1@1234.07,301.92 ; USB1.B4@1223.16,249.21 1223.16,291.01 R1.1@1234.07,301.92 ; 1224.76,211.59 1234.07,220.91 1234.07,249.21 R1.1@1234.07,301.92
  Top1 w15: USB1.B9@1044.5,247.71 1044.5,209.94 1061.3,193.14 ; 1063.47,193.09 1096.56,160 1173.16,160 1223.16,210 ; 1224.76,211.59 USB1.B4@1224.76,247.62
  Top1 w20: D4.1@878.42,87.66 D4.1@902.87,112.11
  Top1 w30: D4.1@902.87,112.11 995.93,112.11 1058.17,174.35 1058.17,187.79
pads on no net: A1. A2. AT1.5 EINK1.0@158,888.34 EINK1.18 EINK1.19 EINK1.24 IC2.1 J1.2 J1.3 J2.2 J2.3 LC1.9 P3.0 P4.0 TF1.1 TF1.8 U1.4 U2.1 U2.2 U2.6 U2.10 U2.11 U2.12 U2.13 U2.14 U2.15 U2.16 U2.17 U2.18 U2.19 U2.20 U2.21 U2.22 U2.23 U2.27 U4.25 U4.26 U4.27 U4.30 U4.31 U4.32 U4.33 U4.44 U4.45 U4.47 U4.48 U5.2 U5.3 U5.4 U5.5 U5.6 U5.7 U5.12 U5.14 U5.15 U5.16 U5.17 U5.19 U5.21 U5.22 USB1.0 USB1.A8 USB1.B8
copper on no net: | length 11.2
  Top1 w4: 1164.04,1310.01 1164.11,1309.94
  Top1 w5: 1262.53,1309.94 1262.53,1318.31
  Top1 w6: 1223.16,1309.94 1225.09,1311.86
  other v3: 786.54,1667.83 1022.76,1667.83
  other v4: 1891.75,812.99 1891.75,1127.17

## Polygon pours and split planes (outlines as drawn)
GND on Top1 "GND_L01_P024" (solid, remove dead copper, pour order 24): 1958,1391.59 2124.58,1225 2124.38,1224.8 2124.38,18.38 2106,0 397.55,0 123.25,274.29 44.19,274.29 -1.4,319.89 -1.4,902.95 48.65,953 390,953 390,958.62 584.91,1153.54 584.91,1348.5 628,1391.59
VIN on Top1 "VIN_L01_P022" (solid, pour order 22): 891,580 956.62,514.38 995.54,514.38 1017.94,536.78 1017.94,683.09 1003.04,698 898.81,698 891,690.19
VBAT on Top1 "VBAT_L01_P021" (solid, pour order 21): 748,335 730.54,377 730.54,444.18 833.47,547.11 897.66,547.11 909.47,536.51 909.47,436.47 883.65,408 822,408 779,365 779,335
VBAT_IN on Top1 "VBAT_IN_L01_P020" (solid, pour order 20): 519,217.76 748.53,217.76 753.63,222.86 753.63,247.62 778.62,247.62 785.2,247.62 785.2,168.71 753.63,137.15 525.8,137.15 506.64,149.51 506.64,202.33
NetD6_2 on Top1 "NETD6_2_L01_P002" (solid, pour order 2): 427,925.19 446.81,945 568.64,945 594.51,925.19 838.92,925.19 846,918.1 846,810.02 839.37,803.39 749.18,803.39 697.32,855.26 444.18,855.26 427,870.7
GND on GND2 "GND_L02_P011" (solid, remove dead copper, pour order 11): 1958,1391.59 2124.58,1225 2124.38,1224.8 2124.38,18.38 2106,0 397.55,0 123.25,274.29 44.19,274.29 -1.4,319.89 -1.4,902.95 48.65,953 390,953 390,958.62 584.91,1153.54 584.91,1348.5 628,1391.59
GND on signal3 "GND_L03_P018" (solid, remove dead copper, pour order 18): 1958,1391.59 2124.58,1225 2124.38,1224.8 2124.38,18.38 2106,0 397.55,0 123.25,274.29 44.19,274.29 -1.4,319.89 -1.4,902.95 48.65,953 390,953 390,958.62 584.91,1153.54 584.91,1348.5 628,1391.59
GND on Bottom4 "GND_L04_P023" (solid, remove dead copper, pour order 23): 1958,1391.59 2124.58,1225 2124.38,1224.8 2124.38,18.38 2106,0 397.55,0 123.25,274.29 44.19,274.29 -1.4,319.89 -1.4,902.95 48.65,953 390,953 390,958.62 584.91,1153.54 584.91,1348.5 628,1391.59

## Keep-outs
Keep-Out Layer:
  circle w10: c2033,1404.87 r45
  circle w10: c91.11,168.37 r45.22
  circle w10: c91.32,1007 r44.92
  circle w10: c204.63,1402 r45.16
  circle w10: c1221,1914 r45.65
  lines w10: -1.25,169 ccw(c91.11,168.37) 176,132 307,1 2114,1 2125,12 2125,1405 ; -1,169 -1,1006 cw(c91.32,1007) 183.63,1007 218.27,972.36 407.36,972.36 586,1151 586,1449 542,1493 318,1493 297,1472 297,1402 cw(c204.63,1402) 117.67,1370.83 ; 91.11,1718 13,1718 4,1727 4,2006 1221.65,2006 cw(c1221,1914) 1223,1822 1193,1822 1193,1495.04 1192.96,1495 836,1495 810,1469 810,1391 1927.13,1391 1941,1404.87 ; 92,1658 13,1658 4,1649 4,1395.27 29,1370.27 116.11,1370.27 116,1370.16 ; 1941,1405 1941,1404.87 ; 2125,1404.87 ccw(c2033,1404.87) 1941,1404.87

## Silkscreen, mask and mechanical layers (free items; w line width, h text height)
Top Overlay:
  lines w7: 1496,511 1576,511 ; 1511,522 1511,536 ; 1525,536 1511,536 ; 1526,546.52 1536,556.52 ; 1536,466 1536,556.52 ; 1536,511 1511,536 ; 1546,546.52 1536,556.52 ; 1571,501 1581,511 1571,521
  text "EC_A" at 513.65,1834 h40 r90
  text "GND" at 449.65,1832 h40 r90
  text "3V3" at 1342,1313 h33
  text "+" at 1321,1264.93 h55
  text "+" at 716.8,891.43 h55
  text "+" at 1038,881.93 h55
  text "+" at 536.54,868.3 h55
  text "+" at 1143,850.93 h55
  text "SOLAR" at 195.35,768.04 h55 r90
  text "GND" at 5.6,695 h33
  text "+" at 1209,661.93 h55
  text "+" at 492,466.93 h55
  text "+" at 893.2,458.93 h55
  text "3.3" at 5.6,453.25 h33
  text "+" at 350,442.93 h55
  text "IMU" at 1498,415 h55
  text "CHG" at 921.9,361.54 h33 r90
  text "GOOD" at 969,360.87 h33 r90
  text "+" at 492,261.93 h55
  text "REBOOT" at 68.58,257.23 h55
  text "+" at 610.92,150.42 h55
  text "+" at 909.1,136.93 h55
  text "BAT" at 275.5,97.66 h55 r90
Bottom Overlay:
  lines w7: 296.59,563.59 319.17,541 319.17,505.83 340,485 ; 297,584 313,584 340,557 340,533 ; 297,606.84 319.16,606.84 342,584 ; 297,626 342,626 ; 297,647.09 319.16,647.09 340,667.93 ; 297,667.93 312,667.93 340,695.93 340,721.33 ; 357,865 390,832 390,831.67 463.62,758.04 ; 675.67,1214 701.07,1214 729.07,1186 729.07,1171 ; 729.07,1214 749.91,1193.16 749.91,1171 ; 771,1171 771,1216 ; 790.16,1171 790.16,1193.16 813,1216 ; 813,1171 813,1187 840,1214 871.49,1214 921,1263.51 ; 833.41,1170.59 856,1193.17 891.17,1193.17 912,1214 ; 992.61,989 1018,989 1046,961 1046,946 ; 1065.79,1306.18 1217.82,1154.16 1217.82,1108.98 ; 1082.88,990.04 1106,966.92 1106,945.88 ; 1112,1309.41 1263.45,1157.96 1263.45,1108.98 ; 1124.82,992.04 1125,946 ; 1143.97,946 1143.97,969.19 1166.82,992.04 ; 1165,946 1165,961.22 1193.82,990.04 1217.82,990.04 ; 1183.76,946 1187.23,949.47 1218.76,981 1256.78,981 1265.82,990.04 ; 1203.88,945.88 1227.19,969.19 1276,969.19 1287.19,969.19 1306,988 ; 1224,946 1235,957 1326.96,957 1354.96,985
  text "VLCD" at 691,1355 h33 r90
  text "EINT" at 836,1348 h33 r90
  text "M-Track  v2.7" at 1861,1340 h120 r90
  text "Zhewei Ye" at 1991,1340 h100 r90
  text "SCL" at 739.63,1322 h33 r90
  text "SDA" at 787,1322 h33 r90
  text "RST" at 1032,1247 h33
  text "GND" at 1033.25,1196 h33
  text "LEDK" at 1013.8,1130.77 h33 r90
  text "VLCD" at 1329.81,1130.77 h33 r90
  text "VLCD" at 1087,1129 h33 r90
  text "RST" at 1134.81,1096.77 h33 r90
  text "SCL" at 1231.81,1096.77 h33 r90
  text "SDA" at 1279.81,1096.77 h33 r90
  text "ESP_EN" at 597.5,1096 h33 r90
  text "LCD_CS" at 1517.5,1085 h33 r90
  text "CS" at 1183.81,1064.77 h33 r90
  text "CS" at 320,885 h33 r90
  text "VLCD" at 891.6,870.79 h33 r90
  text "VGPS" at 1610,818 h33 r90
  text "GND" at 647.12,733.76 h33 r90
  text "BUSY" at 480,704 h33
  text "RST" at 447,655.37 h33
  text "BOOT" at 1469.84,633.02 h33 r90
  text "SDA_CPT_IMU" at 1273.5,616.02 h33 r90
  text "SCL_CPT_IMU" at 1378.17,612.37 h33 r90
  text "D/C" at 447,608 h33
  text "CS" at 417,559 h33
  text "BAT_DET" at 1078.5,518 h33 r90
  text "CHG_DET" at 925.47,515.06 h33 r90
  text "SCL" at 447,511 h33
  text "3V3" at 579,478 h33 r90
  text "SDA" at 447,463 h33
  text "CHG_EN" at 849.5,306 h33 r90
  text "VIMU" at 1462.84,306 h33 r90
Mechanical 1:
  circle w10: c2033,1405 r45
  circle w10: c1221.65,1914 r45
  circle w10: c204.63,1402.09 r45
  circle w10: c91.11,1007.32 r45
  circle w10: c91.32,168.37 r45
  lines w10: -0.92,1007.32 cw(c91.11,1007.32) 183.13,1007.32 218.08,972.36 407.36,972.36 586,1151 586,1448.62 542.62,1492 ; -0.7,1005.32 -0.7,909.3 -0.7,168.37 ccw(c91.32,168.37) 174.72,129.48 ; 117.62,1370.24 29.44,1370.24 3.65,1396.04 3.65,1648.24 13.41,1658 91.65,1658 ccw(c91.65,1688) 91.65,1718 13.41,1718 3.65,1727.76 3.65,2006.02 1221.65,2006.02 cw(c1221.65,1914) 1221.65,1821.98 1193.65,1821.98 ; 118.16,1370.61 ccw(c204.63,1402.09) 296.65,1402.09 296.65,1471.61 318.42,1493.38 540.65,1493.38 ; 176,132 307.38,0.62 2113.62,0.62 2125.38,12.38 2125.38,242.19 2125.38,1405 ; 1927.48,1391.5 1940.98,1405 cw(c2033,1405) 2125.02,1405 ; 1928.35,1391.5 810.5,1391.5 810.5,1469.13 835.95,1494.58 1193.65,1494.58 ; 1193.65,1494.58 1193.65,1821.98 ; 1193.65,1494.58 1193.65,1821.98

## Text inside footprints (layer, text, board x,y; h text height)
AT1: Top Overlay "GPS" at 1610,35 h130; Top Overlay "PPS" at 2071,420 h50 r90; Top Overlay "RX" at 1971,420 h50 r90; Top Overlay "TX" at 1871,420 h50 r90; Top Overlay "GND" at 1771,420 h50 r90; Top Overlay "VCC" at 1671,420 h50 r90